# KiCad board antmicro-job-oculink-expansion.kicad_pcb
title: Jetson Orin Baseboard OCuLink Expansion; date: 2025-03-18; rev: 1.1.0; company: Antmicro Ltd; note: www.antmicro.com
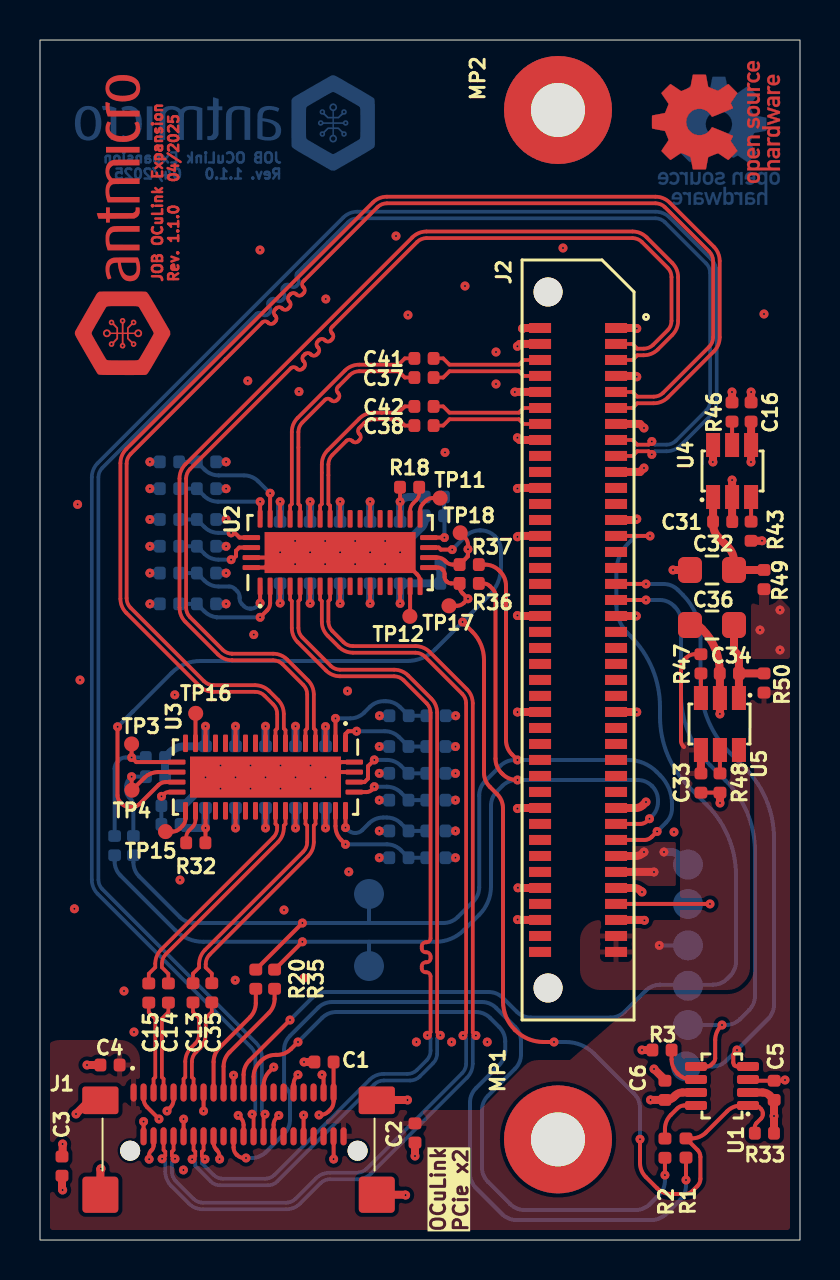
[diagram p0: board, top side]
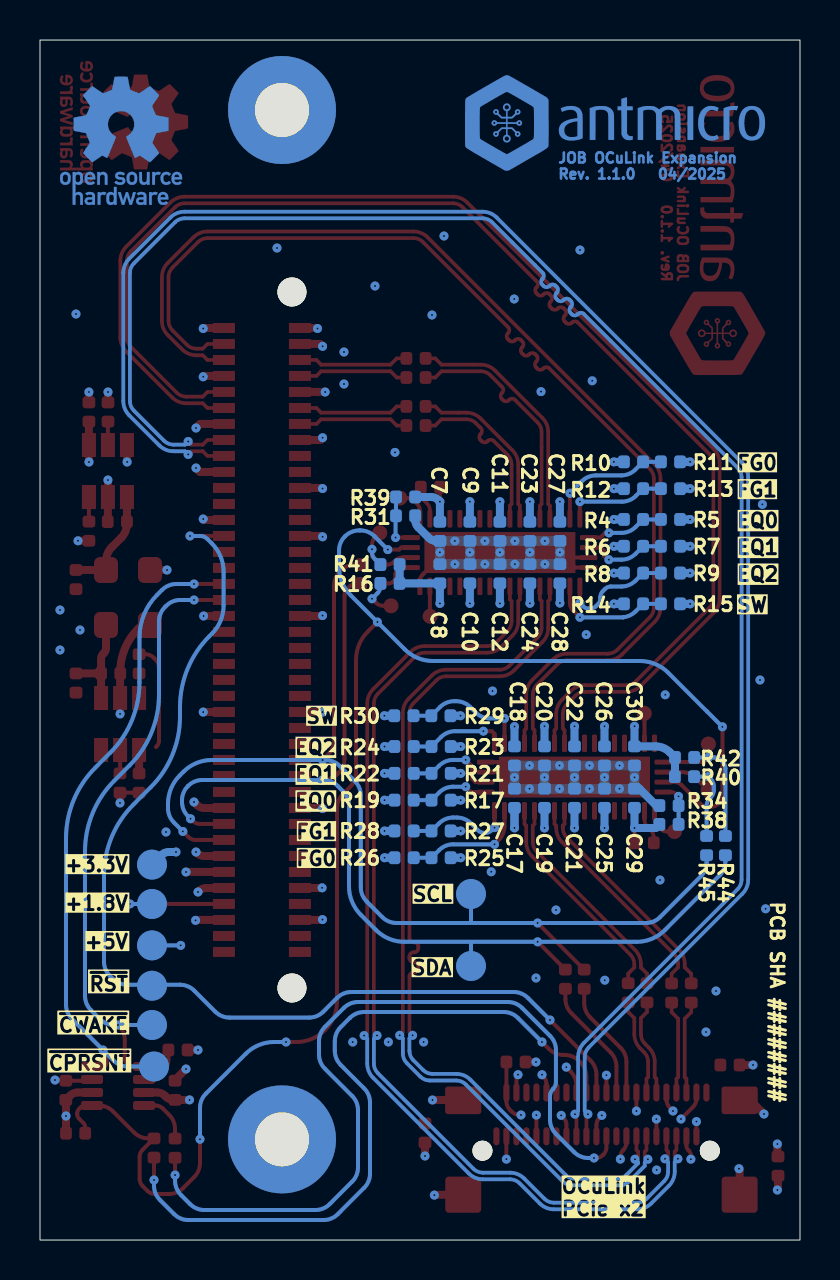
[diagram p1: board, bottom side, seen from below]

Outline 38 x 60 mm; copper layers: Top, In1.Cu, In2.Cu, Bottom. Coordinates in mm from the lower left corner of the outline.
Outline path: rectangle 0,60 38,0
Stack: Top 0.035mm / dielectric 0.12mm FR4 er 4.5 / In1.Cu 0.035mm / dielectric 1.2mm FR4 er 4.5 / In2.Cu 0.035mm / dielectric 0.12mm FR4 er 4.5 / Bottom 0.035mm

## Placement (name value [footprint] x y rotation side)
C1  C_10u_0402  [C_0402_1005Metric]  14.2 8.9 0 top
C2  C_10u_0402  [C_0402_1005Metric]  18.75 5.35 90 top
C3  C_10u_0402  [C_0402_1005Metric]  1.1 3.69 90 top
C4  C_10u_0402  [C_0402_1005Metric]  3.5 8.75 0 top
C5  C_100n_0402  [C_0402_1005Metric]  36.71 7.48 90 top
C6  C_100n_0402  [C_0402_1005Metric]  31.25 7.48 270 top
C7  C_100n_0402  [C_0402_1005Metric]  18 35.43 90 bottom
C8  C_100n_0402  [C_0402_1005Metric]  18 33.31 270 bottom
C9  C_100n_0402  [C_0402_1005Metric]  16.5 35.43 90 bottom
C10  C_100n_0402  [C_0402_1005Metric]  16.5 33.31 270 bottom
C11  C_100n_0402  [C_0402_1005Metric]  15 35.43 90 bottom
C12  C_100n_0402  [C_0402_1005Metric]  15 33.31 270 bottom
C13  C_220n_0402  [C_0402_1005Metric]  7.65 12.36 270 top
C14  C_220n_0402  [C_0402_1005Metric]  6.42 12.35 270 top
C15  C_220n_0402  [C_0402_1005Metric]  5.44 12.35 270 top
C16  C_10u_0402  [C_0402_1005Metric]  35.55 41.4 270 top
C17  C_100n_0402  [C_0402_1005Metric]  14.28 22.09 270 bottom
C18  C_100n_0402  [C_0402_1005Metric]  14.28 24.2 90 bottom
C19  C_100n_0402  [C_0402_1005Metric]  12.78 22.09 270 bottom
C20  C_100n_0402  [C_0402_1005Metric]  12.78 24.2 90 bottom
C21  C_100n_0402  [C_0402_1005Metric]  11.28 22.09 270 bottom
C22  C_100n_0402  [C_0402_1005Metric]  11.28 24.2 90 bottom
C23  C_100n_0402  [C_0402_1005Metric]  13.5 35.43 90 bottom
C24  C_100n_0402  [C_0402_1005Metric]  13.5 33.31 270 bottom
C25  C_100n_0402  [C_0402_1005Metric]  9.78 22.09 270 bottom
C26  C_100n_0402  [C_0402_1005Metric]  9.78 24.2 90 bottom
C27  C_100n_0402  [C_0402_1005Metric]  12 35.43 90 bottom
C28  C_100n_0402  [C_0402_1005Metric]  12 33.31 270 bottom
C29  C_100n_0402  [C_0402_1005Metric]  8.28 22.09 270 bottom
C30  C_100n_0402  [C_0402_1005Metric]  8.28 24.2 90 bottom
C31  C_100n_0402  [C_0402_1005Metric]  34.13 35.92 180 top
C32  C_100u_0805  [C_0805_2012Metric]  33.6 33.5 0 top
C33  C_10u_0402  [C_0402_1005Metric]  33.05 22.85 90 top
C34  C_100n_0402  [C_0402_1005Metric]  34.47 28.33 0 top
C35  C_220n_0402  [C_0402_1005Metric]  8.59 12.36 270 top
C36  C_100u_0805  [C_0805_2012Metric]  33.6 30.75 0 top
C37  C_220n_0402  [C_0402_1005Metric]  19.2 43.12 180 top
C38  C_220n_0402  [C_0402_1005Metric]  19.2 40.72 180 top
C41  C_220n_0402  [C_0402_1005Metric]  19.2 44.08 180 top
C42  C_220n_0402  [C_0402_1005Metric]  19.2 41.68 180 top
J1  OCuLink_x4_Amphenol_G14A421211112HR  [Amphenol_G14A421211112HR]  9.93 3.07 0 top
J2  Plug_Samtec_ERM8_2x40_ERM8-040-05.0-L-DV-K-TR  [Conn_Plug_Samtec_ERM8_2x40_ERM8-040-05.0-L-DV-K-TR]  26.9 30 270 top
MP1  -  [MP_Pad5.4mm_Drill2.7mm]  25.9 5.03 0 top
MP2  -  [MP_Pad5.4mm_Drill2.7mm]  25.9 56.5 0 top
N1  oshw_logo  [oshw-logo]  33.94 54.96 180 bottom
N2  antmicro_logo  [antmicro-logo_scaled_15mm]  8.8 55.78 180 bottom
N3  oshw_logo  [oshw-logo]  33.8 55.9 90 top
N4  antmicro_logo  [antmicro-logo_scaled_15mm]  4.2 51.2 90 top
R1  R_0R_0402  [R_0402_1005Metric]  32.3 4.6 270 top
R2  R_0R_0402  [R_0402_1005Metric]  31.25 4.59 270 top
R3  R_10k_0402  [R_0402_1005Metric]  31.1 9.5 0 top
R4  R_1k_0402  [R_0402_1005Metric]  8.33 36.03 180 bottom  (not fitted)
R5  R_1k_0402  [R_0402_1005Metric]  6.47 36.03 0 bottom
R6  R_1k_0402  [R_0402_1005Metric]  8.33 34.69 180 bottom
R7  R_1k_0402  [R_0402_1005Metric]  6.47 34.69 0 bottom  (not fitted)
R8  R_1k_0402  [R_0402_1005Metric]  8.32 33.35 180 bottom
R9  R_1k_0402  [R_0402_1005Metric]  6.47 33.35 0 bottom  (not fitted)
R10  R_1k_0402  [R_0402_1005Metric]  8.33 38.91 180 bottom  (not fitted)
R11  R_1k_0402  [R_0402_1005Metric]  6.47 38.91 0 bottom
R12  R_1k_0402  [R_0402_1005Metric]  8.33 37.57 180 bottom
R13  R_1k_0402  [R_0402_1005Metric]  6.47 37.57 0 bottom  (not fitted)
R14  R_1k_0402  [R_0402_1005Metric]  8.32 31.81 180 bottom
R15  R_1k_0402  [R_0402_1005Metric]  6.47 31.81 0 bottom  (not fitted)
R16  R_10k_0402  [R_0402_1005Metric]  20.5 32.83 180 bottom
R17  R_1k_0402  [R_0402_1005Metric]  17.94 21.99 0 bottom  (not fitted)
R18  R_0R_0402  [R_0402_1005Metric]  18.48 37.64 0 top
R19  R_1k_0402  [R_0402_1005Metric]  19.79 21.99 180 bottom
R20  R_0R_0402  [R_0402_1005Metric]  10.79 13.04 270 top
R21  R_1k_0402  [R_0402_1005Metric]  17.94 23.33 0 bottom
R22  R_1k_0402  [R_0402_1005Metric]  19.79 23.33 180 bottom  (not fitted)
R23  R_1k_0402  [R_0402_1005Metric]  17.94 24.67 0 bottom  (not fitted)
R24  R_1k_0402  [R_0402_1005Metric]  19.79 24.67 180 bottom
R25  R_1k_0402  [R_0402_1005Metric]  17.94 19.11 0 bottom  (not fitted)
R26  R_1k_0402  [R_0402_1005Metric]  19.79 19.11 180 bottom
R27  R_1k_0402  [R_0402_1005Metric]  17.94 20.45 0 bottom
R28  R_1k_0402  [R_0402_1005Metric]  19.79 20.45 180 bottom  (not fitted)
R29  R_1k_0402  [R_0402_1005Metric]  17.95 26.21 0 bottom
R30  R_1k_0402  [R_0402_1005Metric]  19.8 26.21 180 bottom  (not fitted)
R31  R_10k_0402  [R_0402_1005Metric]  19.72 36.21 0 bottom
R32  R_0R_0402  [R_0402_1005Metric]  7.79 19.86 180 top
R33  R_1k_0402  [R_0402_1005Metric]  36.22 5.34 0 top
R34  R_10k_0402  [R_0402_1005Metric]  6.55 21.72 180 bottom
R35  R_0R_0402  [R_0402_1005Metric]  11.73 13.04 270 top
R36  R_0R_0402  [R_0402_1005Metric]  21.46 32.83 180 top  (not fitted)
R37  R_0R_0402  [R_0402_1005Metric]  21.46 33.77 180 top  (not fitted)
R38  R_0R_0402  [R_0402_1005Metric]  6.55 20.78 180 bottom  (not fitted)
R39  R_0R_0402  [R_0402_1005Metric]  19.72 37.15 0 bottom  (not fitted)
R40  R_10k_0402  [R_0402_1005Metric]  5.78 23.17 0 bottom
R41  R_10k_0402  [R_0402_1005Metric]  20.5 33.77 180 bottom
R42  R_10k_0402  [R_0402_1005Metric]  5.77 24.13 0 bottom
R43  R_10k_0402  [R_0402_1005Metric]  35.55 35.44 90 top
R44  R_0R_0402  [R_0402_1005Metric]  3.73 19.72 90 bottom  (not fitted)
R45  R_0R_0402  [R_0402_1005Metric]  4.67 19.72 90 bottom  (not fitted)
R46  R_5k6_0402  [R_0402_1005Metric]  34.6 41.4 270 top
R47  R_10k_0402  [R_0402_1005Metric]  33.05 28.81 270 top
R48  R_11k3_0402  [R_0402_1005Metric]  34 22.85 90 top
R49  R_0R_0402  [R_0402_1005Metric]  36.2 33.02 270 top
R50  R_0R_0402  [R_0402_1005Metric]  36.2 27.85 270 top
TP1  TP_1.5mm_SMD  [TP_SMD_1.5mm]  16.45 17.3 270 bottom
TP2  TP_1.5mm_SMD  [TP_SMD_1.5mm]  16.45 13.7 270 bottom
TP3  TP_0.75mm_SMD  [TP_SMD_0.75mm]  4.58 24.8 180 top
TP4  TP_0.75mm_SMD  [TP_SMD_0.75mm]  4.6 22.49 0 top
TP5  TP_1.5mm_SMD  [TP_SMD_1.5mm]  32.3 8.68 180 bottom
TP6  TP_1.5mm_SMD  [TP_SMD_1.5mm]  32.4 10.75 90 bottom
TP7  TP_1.5mm_SMD  [TP_SMD_1.5mm]  32.4 12.71 180 bottom
TP8  TP_1.5mm_SMD  [TP_SMD_1.5mm]  32.4 18.77 180 bottom
TP9  TP_1.5mm_SMD  [TP_SMD_1.5mm]  32.4 14.73 180 bottom
TP10  TP_1.5mm_SMD  [TP_SMD_1.5mm]  32.4 16.8 180 bottom
TP11  TP_0.75mm_SMD  [TP_SMD_0.75mm]  20 37.1 180 top
TP12  TP_0.75mm_SMD  [TP_SMD_0.75mm]  18.5 31.19 180 top
TP15  TP_0.75mm_SMD  [TP_SMD_0.75mm]  6.28 20.42 180 top
TP16  TP_0.75mm_SMD  [TP_SMD_0.75mm]  7.78 26.33 180 top
TP17  TP_0.75mm_SMD  [TP_SMD_0.75mm]  20.45 31.71 180 top
TP18  TP_0.75mm_SMD  [TP_SMD_0.75mm]  21.01 35.36 180 top
U1  MAX3373EEKA+  [SOT-23-8]  34.1 7.7 180 top
U2  PI3EQX16904GL  [WQFN-42-1EP_3.5x9mm_P0.5mm]  15 34.37 90 top
U3  PI3EQX16904GL  [WQFN-42-1EP_3.5x9mm_P0.5mm]  11.28 23.15 270 top
U4  ~  [TSOT23-6]  34.6 38.45 90 top
U5  ~  [TSOT23-6]  34 25.8 270 top

## Library data of the parts
C1 C4 = -: Datasheet: https://www.yageo.com/en/Chart/Download/pdf/CC0402MRX5R5BB106; Description: SMD Multilayer Ceramic Capacitor, 10 µF, 6.3 V, 0402 [1005 Metric], ± 20%, X5R, CC Series; MPN: CC0402MRX5R5BB106; Manufacturer: YAGEO; License: Apache-2.0; Author: Antmicro; Val: 10u; Field11: License: Apache-2.0; Field12: Author: Antmicro
C2 = -: Datasheet: https://www.yageo.com/en/Chart/Download/pdf/CC0402MRX5R5BB106; Description: SMD Multilayer Ceramic Capacitor, 10 µF, 6.3 V, 0402 [1005 Metric], ± 20%, X5R, CC Series; MPN: CC0402MRX5R5BB106; Manufacturer: YAGEO; License: Apache-2.0; Author: Antmicro; Val: 10u; Field11: License: Apache-2.0; Field13: Author: Antmicro
C3 = -: Datasheet: https://www.yageo.com/en/Chart/Download/pdf/CC0402MRX5R5BB106; Description: SMD Multilayer Ceramic Capacitor, 10 µF, 6.3 V, 0402 [1005 Metric], ± 20%, X5R, CC Series; MPN: CC0402MRX5R5BB106; Manufacturer: YAGEO; License: Apache-2.0; Author: Antmicro; Val: 10u; Field12: License: Apache-2.0; Field13: Author: Antmicro
C5 = -: Datasheet: https://www.murata.com/products/productdetail?partno=GRM155R61H104KE14%23; Description: SMD Multilayer Ceramic Capacitor, 0.1 µF, 50 V, 0402 [1005 Metric], ± 10%, X5R, GRM Series; MPN: GRM155R61H104KE14D; Manufacturer: Murata; License: Apache-2.0; Author: Antmicro; Val: 100n; Voltage: 50V; Dielectric: X5R; Field12: Author: Antmicro; Field13: License: Apache-2.0
C6 = -: Datasheet: https://www.murata.com/products/productdetail?partno=GRM155R61H104KE14%23; Description: SMD Multilayer Ceramic Capacitor, 0.1 µF, 50 V, 0402 [1005 Metric], ± 10%, X5R, GRM Series; MPN: GRM155R61H104KE14D; Manufacturer: Murata; License: Apache-2.0; Author: Antmicro; Val: 100n; Voltage: 50V; Dielectric: X5R; Field12: License: Apache-2.0; Field13: Author: Antmicro
C7 C19 C20 C29 = -: Datasheet: https://www.murata.com/products/productdetail?partno=GRM155R61H104KE14%23; Description: SMD Multilayer Ceramic Capacitor, 0.1 µF, 50 V, 0402 [1005 Metric], ± 10%, X5R, GRM Series; MPN: GRM155R61H104KE14D; Manufacturer: Murata; License: Apache-2.0; Author: Antmicro; Val: 100n; Voltage: 50V; Dielectric: X5R; Public: False; Field12: Author: Antmicro; Field13: License: Apache-2.0
C8 C9 C11 C21 = -: Datasheet: https://www.murata.com/products/productdetail?partno=GRM155R61H104KE14%23; Description: SMD Multilayer Ceramic Capacitor, 0.1 µF, 50 V, 0402 [1005 Metric], ± 10%, X5R, GRM Series; MPN: GRM155R61H104KE14D; Manufacturer: Murata; License: Apache-2.0; Author: Antmicro; Val: 100n; Voltage: 50V; Dielectric: X5R; Public: False; Field12: License: Apache-2.0; Field14: Author: Antmicro
C10 C22 C24 C25 = -: Datasheet: https://www.murata.com/products/productdetail?partno=GRM155R61H104KE14%23; Description: SMD Multilayer Ceramic Capacitor, 0.1 µF, 50 V, 0402 [1005 Metric], ± 10%, X5R, GRM Series; MPN: GRM155R61H104KE14D; Manufacturer: Murata; License: Apache-2.0; Author: Antmicro; Val: 100n; Voltage: 50V; Dielectric: X5R; Public: False; Field12: Author: Antmicro; Field14: License: Apache-2.0
C12 C23 C26 C30 = -: Datasheet: https://www.murata.com/products/productdetail?partno=GRM155R61H104KE14%23; Description: SMD Multilayer Ceramic Capacitor, 0.1 µF, 50 V, 0402 [1005 Metric], ± 10%, X5R, GRM Series; MPN: GRM155R61H104KE14D; Manufacturer: Murata; License: Apache-2.0; Author: Antmicro; Val: 100n; Voltage: 50V; Dielectric: X5R; Public: False; Field13: Author: Antmicro; Field14: License: Apache-2.0
C13 C37 C42 = -: Datasheet: https://www.yageo.com/en/Chart/Download/pdf/CC0402KRX5R6BB224; Description: SMD Multilayer Ceramic Capacitor, 0.22 µF, 10 V, 0402 [1005 Metric], ± 10%, X5R, CC Series; MPN: CC0402KRX5R6BB224; Manufacturer: YAGEO; License: Apache-2.0; Author: Antmicro; Val: 220n; Public: False; Field13: Author: Antmicro; Field14: License: Apache-2.0
C14 C35 C38 = -: Datasheet: https://www.yageo.com/en/Chart/Download/pdf/CC0402KRX5R6BB224; Description: SMD Multilayer Ceramic Capacitor, 0.22 µF, 10 V, 0402 [1005 Metric], ± 10%, X5R, CC Series; MPN: CC0402KRX5R6BB224; Manufacturer: YAGEO; License: Apache-2.0; Author: Antmicro; Val: 220n; Public: False; Field12: License: Apache-2.0; Field13: Author: Antmicro
C15 = -: Datasheet: https://www.yageo.com/en/Chart/Download/pdf/CC0402KRX5R6BB224; Description: SMD Multilayer Ceramic Capacitor, 0.22 µF, 10 V, 0402 [1005 Metric], ± 10%, X5R, CC Series; MPN: CC0402KRX5R6BB224; Manufacturer: YAGEO; License: Apache-2.0; Author: Antmicro; Val: 220n; Public: False; Field12: Author: Antmicro; Field13: License: Apache-2.0
C16 = -: Datasheet: https://www.yageo.com/en/Chart/Download/pdf/CC0402MRX5R5BB106; Description: SMD Multilayer Ceramic Capacitor, 10 µF, 6.3 V, 0402 [1005 Metric], ± 20%, X5R, CC Series; MPN: CC0402MRX5R5BB106; Manufacturer: YAGEO; License: Apache-2.0; Author: Antmicro; Val: 10u; Field11: Author: Antmicro; Field13: License: Apache-2.0
C17 C18 C28 = -: Datasheet: https://www.murata.com/products/productdetail?partno=GRM155R61H104KE14%23; Description: SMD Multilayer Ceramic Capacitor, 0.1 µF, 50 V, 0402 [1005 Metric], ± 10%, X5R, GRM Series; MPN: GRM155R61H104KE14D; Manufacturer: Murata; License: Apache-2.0; Author: Antmicro; Val: 100n; Voltage: 50V; Dielectric: X5R; Public: False; Field13: License: Apache-2.0; Field14: Author: Antmicro
C27 = -: Datasheet: https://www.murata.com/products/productdetail?partno=GRM155R61H104KE14%23; Description: SMD Multilayer Ceramic Capacitor, 0.1 µF, 50 V, 0402 [1005 Metric], ± 10%, X5R, GRM Series; MPN: GRM155R61H104KE14D; Manufacturer: Murata; License: Apache-2.0; Author: Antmicro; Val: 100n; Voltage: 50V; Dielectric: X5R; Public: False; Field12: License: Apache-2.0; Field13: Author: Antmicro
C31 = -: Datasheet: https://www.murata.com/products/productdetail?partno=GRM155R61H104KE14%23; Description: SMD Multilayer Ceramic Capacitor, 0.1 µF, 50 V, 0402 [1005 Metric], ± 10%, X5R, GRM Series; MPN: GRM155R61H104KE14D; Manufacturer: Murata; License: Apache-2.0; Author: Antmicro; Val: 100n; Voltage: 50V; Dielectric: X5R; Field11: Author: Antmicro; Field13: License: Apache-2.0
C32 C36 = -: Datasheet: https://www.murata.com/products/productdetail?partno=GRM21BR60J107ME15%23; Description: SMD Multilayer Ceramic Capacitor, 100 µF, 6.3 V, 0805 [2012 Metric], ± 20%, X5R, GRM Series; MPN: GRM21BR60J107ME15L; Manufacturer: Murata; License: Apache-2.0; Author: Antmicro; Val: 100u; Public: False; Field12: Author: Antmicro; Field13: License: Apache-2.0
C33 = -: Datasheet: https://www.yageo.com/en/Chart/Download/pdf/CC0402MRX5R5BB106; Description: SMD Multilayer Ceramic Capacitor, 10 µF, 6.3 V, 0402 [1005 Metric], ± 20%, X5R, CC Series; MPN: CC0402MRX5R5BB106; Manufacturer: YAGEO; License: Apache-2.0; Author: Antmicro; Val: 10u; Field11: Author: Antmicro; Field12: License: Apache-2.0
C34 = -: Datasheet: https://www.murata.com/products/productdetail?partno=GRM155R61H104KE14%23; Description: SMD Multilayer Ceramic Capacitor, 0.1 µF, 50 V, 0402 [1005 Metric], ± 10%, X5R, GRM Series; MPN: GRM155R61H104KE14D; Manufacturer: Murata; License: Apache-2.0; Author: Antmicro; Val: 100n; Voltage: 50V; Dielectric: X5R; Field11: License: Apache-2.0; Field12: Author: Antmicro
C41 = -: Datasheet: https://www.yageo.com/en/Chart/Download/pdf/CC0402KRX5R6BB224; Description: SMD Multilayer Ceramic Capacitor, 0.22 µF, 10 V, 0402 [1005 Metric], ± 10%, X5R, CC Series; MPN: CC0402KRX5R6BB224; Manufacturer: YAGEO; License: Apache-2.0; Author: Antmicro; Val: 220n; Public: False; Field13: License: Apache-2.0; Field14: Author: Antmicro
J1 = -: Datasheet: https://cdn.amphenol-cs.com/media/wysiwyg/files/drawing/g14a421x1bxxxhr.pdf; Description: I/O Connectors OCulink, Receptacle, 0.5mm pitch, 4X, R/A SMT with shell leg SMT type, 30U" gold plating, LCP, black, T&R packing; Manufacturer: Amphenol; MPN: G14A421211112HR; Author: Antmicro; License: Apache-2.0; Field8: Author: Antmicro; Field9: License: Apache-2.0
J2 = -: Datasheet: https://suddendocs.samtec.com/catalog_english/erf8.pdf; Description: 80 Position Connector Header, Center Strip Contacts Surface Mount Gold; MPN: ERM8-040-05.0-L-DV-K-TR; Manufacturer: Samtec; Author: Antmicro; License: Apache-2.0; Pitch: 0.8 mm; Field9: License: Apache-2.0; Field10: Author: Antmicro
MP1 MP2 = -: Description: Mechanical part; Author: Antmicro; License: Apache-2.0; Field6: License: Apache-2.0; Field7: Author: Antmicro
N1 = -: Description: Mechanical part; Author: Antmicro; License: Apache-2.0; Field8: Author: Antmicro; Field9: License: Apache-2.0
N2 = -: Description: Mechanical part; Author: Antmicro; License: Apache-2.0; Field8: License: Apache-2.0; Field9: Author: Antmicro
N3 = -: Description: Mechanical part; Author: Antmicro; License: Apache-2.0; Field8: License: Apache-2.0; Field10: Author: Antmicro
N4 = -: Description: Mechanical part; Author: Antmicro; License: Apache-2.0; Field9: Author: Antmicro; Field10: License: Apache-2.0
R1 R49 = -: Datasheet: https://industrial.panasonic.com/cdbs/www-data/pdf/RDA0000/AOA0000C301.pdf; Description: SMD Chip Resistor, Jumper, 0 ohm, 100 mW, 0402 [1005 Metric], Thick Film, General Purpose; MPN: ERJ2GE0R00X; Manufacturer: Panasonic; License: Apache-2.0; Author: Antmicro; Val: 0R; Current: 1A; Field11: Author: Antmicro; Field12: License: Apache-2.0
R2 = -: Datasheet: https://industrial.panasonic.com/cdbs/www-data/pdf/RDA0000/AOA0000C301.pdf; Description: SMD Chip Resistor, Jumper, 0 ohm, 100 mW, 0402 [1005 Metric], Thick Film, General Purpose; MPN: ERJ2GE0R00X; Manufacturer: Panasonic; License: Apache-2.0; Author: Antmicro; Val: 0R; Current: 1A; Field12: License: Apache-2.0; Field13: Author: Antmicro
R3 R41 = -: Datasheet: https://www.bourns.com/docs/product-datasheets/cr.pdf; Description: SMD Chip Resistor, 10 kohm, ± 1%, 62.5 mW, 0402 [1005 Metric], Thick Film, General Purpose; MPN: CR0402-FX-1002GLF; Manufacturer: Bourns; License: Apache-2.0; Author: Antmicro; Val: 10k; Tolerance: 1%; Field10: License: Apache-2.0; Field11: Author: Antmicro
R4 R21 = -: Datasheet: https://www.bourns.com/docs/product-datasheets/cr.pdf; Description: SMD Chip Resistor, 1 kohm, ± 1%, 63 mW, 0402 [1005 Metric], Thick Film, General Purpose; MPN: CR0402-FX-1001GLF; Manufacturer: Bourns; License: Apache-2.0; Author: Antmicro; Val: 1k; Tolerance: 1%; Public: False; Field12: Author: Antmicro; Field13: License: Apache-2.0
R5 R10 R12 R23 R28 = -: Datasheet: https://www.bourns.com/docs/product-datasheets/cr.pdf; Description: SMD Chip Resistor, 1 kohm, ± 1%, 63 mW, 0402 [1005 Metric], Thick Film, General Purpose; MPN: CR0402-FX-1001GLF; Manufacturer: Bourns; License: Apache-2.0; Author: Antmicro; Val: 1k; Tolerance: 1%; Public: False; Field11: Author: Antmicro; Field13: License: Apache-2.0
R6 R11 R17 = -: Datasheet: https://www.bourns.com/docs/product-datasheets/cr.pdf; Description: SMD Chip Resistor, 1 kohm, ± 1%, 63 mW, 0402 [1005 Metric], Thick Film, General Purpose; MPN: CR0402-FX-1001GLF; Manufacturer: Bourns; License: Apache-2.0; Author: Antmicro; Val: 1k; Tolerance: 1%; Public: False; Field12: License: Apache-2.0; Field13: Author: Antmicro
R7 R19 R25 = -: Datasheet: https://www.bourns.com/docs/product-datasheets/cr.pdf; Description: SMD Chip Resistor, 1 kohm, ± 1%, 63 mW, 0402 [1005 Metric], Thick Film, General Purpose; MPN: CR0402-FX-1001GLF; Manufacturer: Bourns; License: Apache-2.0; Author: Antmicro; Val: 1k; Tolerance: 1%; Public: False; Field11: Author: Antmicro; Field12: License: Apache-2.0
R8 R9 R22 R26 R27 R33 = -: Datasheet: https://www.bourns.com/docs/product-datasheets/cr.pdf; Description: SMD Chip Resistor, 1 kohm, ± 1%, 63 mW, 0402 [1005 Metric], Thick Film, General Purpose; MPN: CR0402-FX-1001GLF; Manufacturer: Bourns; License: Apache-2.0; Author: Antmicro; Val: 1k; Tolerance: 1%; Public: False; Field11: License: Apache-2.0; Field12: Author: Antmicro
R13-R15 R24 R29 R30 = -: Datasheet: https://www.bourns.com/docs/product-datasheets/cr.pdf; Description: SMD Chip Resistor, 1 kohm, ± 1%, 63 mW, 0402 [1005 Metric], Thick Film, General Purpose; MPN: CR0402-FX-1001GLF; Manufacturer: Bourns; License: Apache-2.0; Author: Antmicro; Val: 1k; Tolerance: 1%; Public: False; Field11: License: Apache-2.0; Field13: Author: Antmicro
R16 R34 R40 = -: Datasheet: https://www.bourns.com/docs/product-datasheets/cr.pdf; Description: SMD Chip Resistor, 10 kohm, ± 1%, 62.5 mW, 0402 [1005 Metric], Thick Film, General Purpose; MPN: CR0402-FX-1002GLF; Manufacturer: Bourns; License: Apache-2.0; Author: Antmicro; Val: 10k; Tolerance: 1%; Field11: License: Apache-2.0; Field12: Author: Antmicro
R18 R38 R44 = -: Datasheet: https://industrial.panasonic.com/cdbs/www-data/pdf/RDA0000/AOA0000C301.pdf; Description: SMD Chip Resistor, Jumper, 0 ohm, 100 mW, 0402 [1005 Metric], Thick Film, General Purpose; MPN: ERJ2GE0R00X; Manufacturer: Panasonic; License: Apache-2.0; Author: Antmicro; Val: 0R; Current: 1A; Public: False; Field12: License: Apache-2.0; Field13: Author: Antmicro
R20 = -: Datasheet: https://industrial.panasonic.com/cdbs/www-data/pdf/RDA0000/AOA0000C301.pdf; Description: SMD Chip Resistor, Jumper, 0 ohm, 100 mW, 0402 [1005 Metric], Thick Film, General Purpose; MPN: ERJ2GE0R00X; Manufacturer: Panasonic; License: Apache-2.0; Author: Antmicro; Val: 0R; Current: 1A; Field11: License: Apache-2.0; Field12: Author: Antmicro
R31 R43 R47 = -: Datasheet: https://www.bourns.com/docs/product-datasheets/cr.pdf; Description: SMD Chip Resistor, 10 kohm, ± 1%, 62.5 mW, 0402 [1005 Metric], Thick Film, General Purpose; MPN: CR0402-FX-1002GLF; Manufacturer: Bourns; License: Apache-2.0; Author: Antmicro; Val: 10k; Tolerance: 1%; Field10: License: Apache-2.0; Field12: Author: Antmicro
R32 = -: Datasheet: https://industrial.panasonic.com/cdbs/www-data/pdf/RDA0000/AOA0000C301.pdf; Description: SMD Chip Resistor, Jumper, 0 ohm, 100 mW, 0402 [1005 Metric], Thick Film, General Purpose; MPN: ERJ2GE0R00X; Manufacturer: Panasonic; License: Apache-2.0; Author: Antmicro; Val: 0R; Current: 1A; Public: False; Field12: License: Apache-2.0; Field14: Author: Antmicro
R35 = -: Datasheet: https://industrial.panasonic.com/cdbs/www-data/pdf/RDA0000/AOA0000C301.pdf; Description: SMD Chip Resistor, Jumper, 0 ohm, 100 mW, 0402 [1005 Metric], Thick Film, General Purpose; MPN: ERJ2GE0R00X; Manufacturer: Panasonic; License: Apache-2.0; Author: Antmicro; Val: 0R; Current: 1A; Field11: Author: Antmicro; Field13: License: Apache-2.0
R36 = -: Datasheet: https://industrial.panasonic.com/cdbs/www-data/pdf/RDA0000/AOA0000C301.pdf; Description: SMD Chip Resistor, Jumper, 0 ohm, 100 mW, 0402 [1005 Metric], Thick Film, General Purpose; MPN: ERJ2GE0R00X; Manufacturer: Panasonic; License: Apache-2.0; Author: Antmicro; Val: 0R; Current: 1A; Public: False; Field13: License: Apache-2.0; Field14: Author: Antmicro
R37 R45 = -: Datasheet: https://industrial.panasonic.com/cdbs/www-data/pdf/RDA0000/AOA0000C301.pdf; Description: SMD Chip Resistor, Jumper, 0 ohm, 100 mW, 0402 [1005 Metric], Thick Film, General Purpose; MPN: ERJ2GE0R00X; Manufacturer: Panasonic; License: Apache-2.0; Author: Antmicro; Val: 0R; Current: 1A; Public: False; Field12: Author: Antmicro; Field14: License: Apache-2.0
R39 = -: Datasheet: https://industrial.panasonic.com/cdbs/www-data/pdf/RDA0000/AOA0000C301.pdf; Description: SMD Chip Resistor, Jumper, 0 ohm, 100 mW, 0402 [1005 Metric], Thick Film, General Purpose; MPN: ERJ2GE0R00X; Manufacturer: Panasonic; License: Apache-2.0; Author: Antmicro; Val: 0R; Current: 1A; Public: False; Field13: Author: Antmicro; Field14: License: Apache-2.0
R42 = -: Datasheet: https://www.bourns.com/docs/product-datasheets/cr.pdf; Description: SMD Chip Resistor, 10 kohm, ± 1%, 62.5 mW, 0402 [1005 Metric], Thick Film, General Purpose; MPN: CR0402-FX-1002GLF; Manufacturer: Bourns; License: Apache-2.0; Author: Antmicro; Val: 10k; Tolerance: 1%; Field11: Author: Antmicro; Field12: License: Apache-2.0